# Altium PCB top_1.PcbDoc (part 3 of 5) (continued)
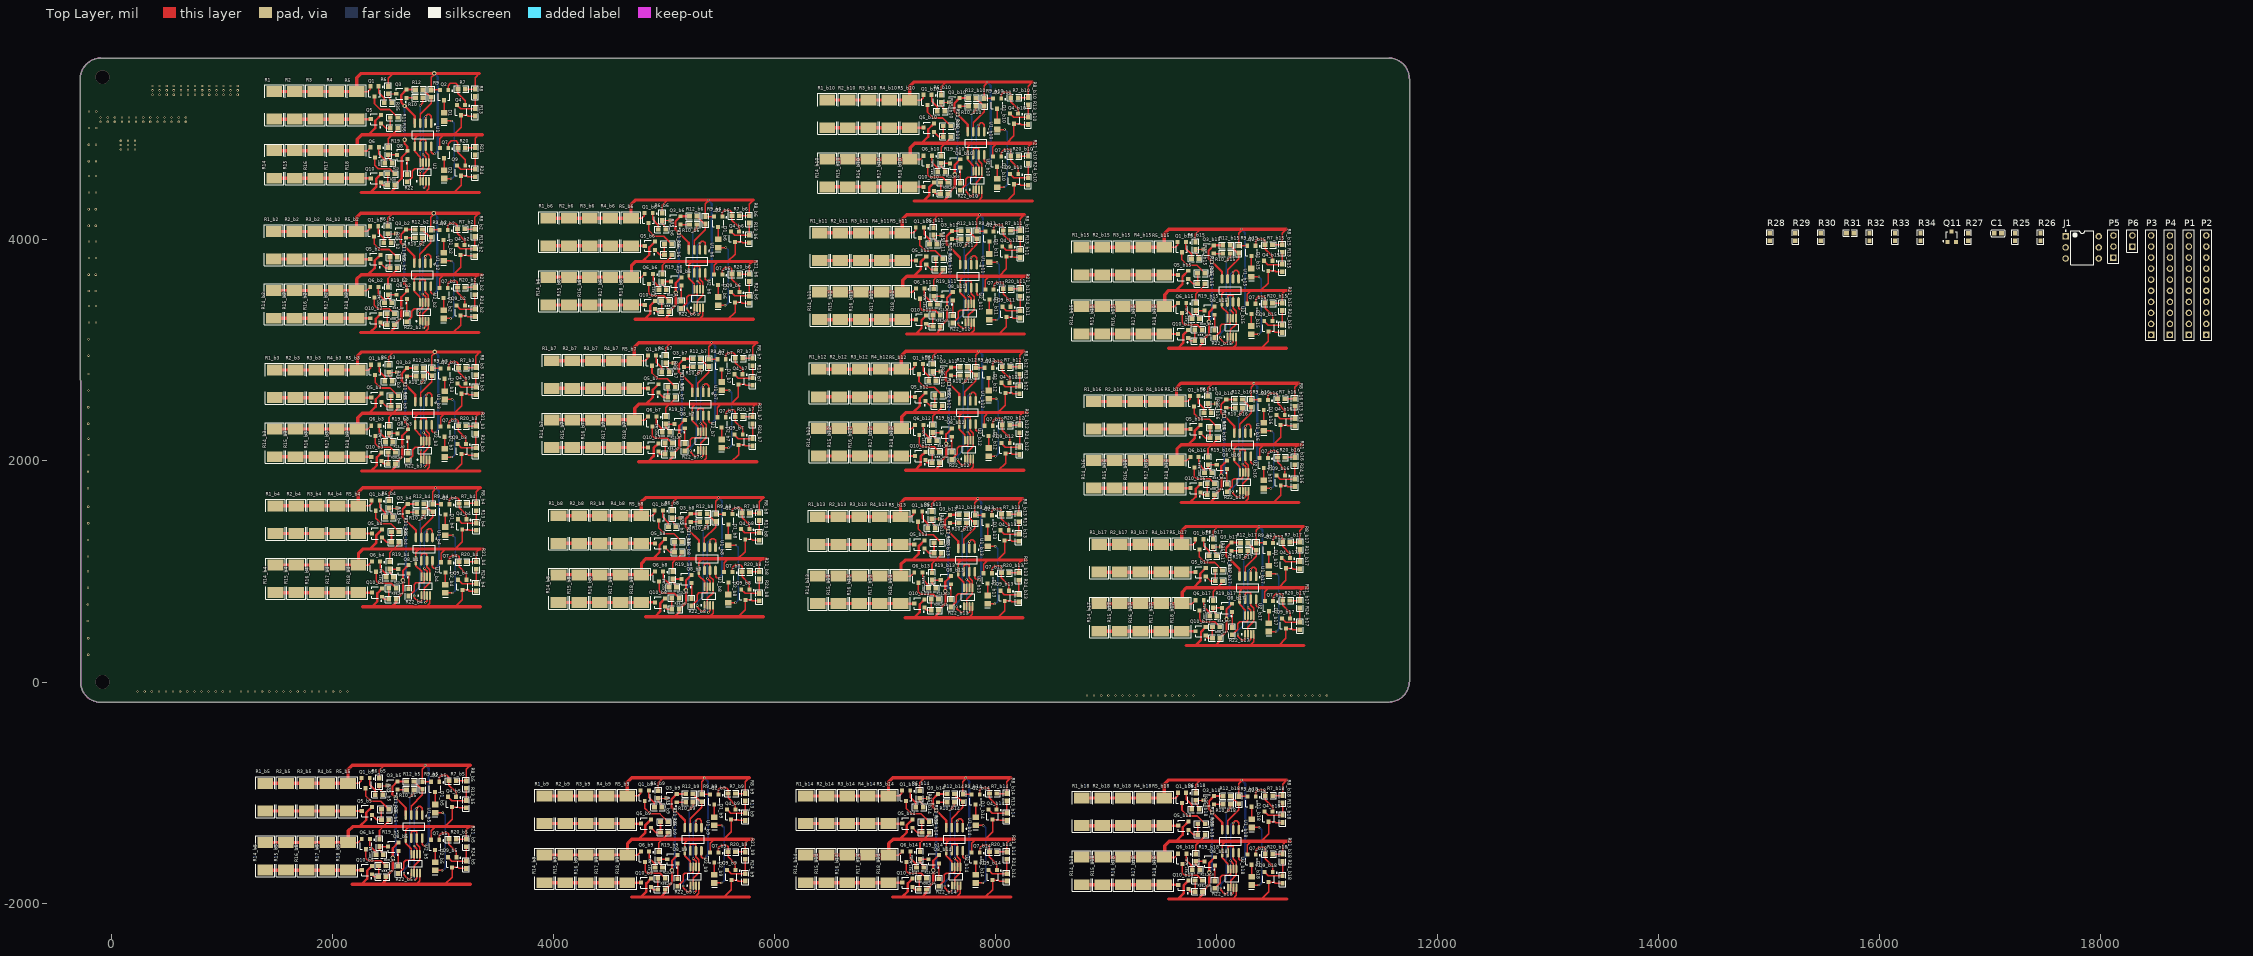
[diagram p0: Top Layer view]
## Nets (pads, with @x,y where several pads share a name; then routed paths per layer and width w, separated by ;. In a path a pad name is that pad's centre, name@x,y a point inside that pad or via, vN(x,y) a via of type N, cw(c..) or ccw(c..) an arc to the next point about the centre after c; other vN are vias at no path point) (continued)
  Top Layer w30: R1_b9.2@3920,-1031 R2_b9.2@4107,-1031 R3_b9.2@4294,-1031 R4_b9.2@4481,-1031 R5_b9.2@4668,-1031 4668,-907 4708,-867 4995.75,-867 v1(5367,-867) 5377,-867 5774,-867 ; 4835,590.93 4917.93,590.93 5122.93,590.93 5411.93,590.93 5672.93,590.93 5901,590.93
  Bottom Layer w20: v2(5200,832.46) 5200,840 5226.87,866.87 v2(5226.87,1374.4) ; v1(5367,-867) 5399,-899 5399,-1566 v1(5371,-1594)
IN_A9: P2.1 Q1_b10.2 Q2_b10.2 R1_b10.2 R2_b10.2 R3_b10.2 R4_b10.2 R5_b10.2 R6_b10.2 R7_b10.2 R8_b10.2 R9_b10.2 U1_b10.8 | length 3617.4
  Top Layer w12: R5_b10.2@7227,5266 7326.46,5266 7349.13,5288.67 Q1_b10.2@7349.13,5313.72 ; R6_b10.2@7510,5312.93 7510,5385.25 7554.75,5430 ; U1_b10.8@7900,4770.51 7900,4715 7912,4703 v1(7930,4703) ; 7936,5430 7901,5395 R9_b10.2@7901,5280.46 7978.39,5280.46 Q2_b10.2@7978.6,5280.26 ; R7_b10.2@8207.46,5288 8295.54,5288 R8_b10.2@8296,5288.46 8296,5393 8333,5430 8334,5430
  Top Layer w30: R1_b10.2@6479,5266 R2_b10.2@6666,5266 R3_b10.2@6853,5266 R4_b10.2@7040,5266 R5_b10.2@7227,5266 7227,5390 7267,5430 7554.75,5430 v1(7926,5430) 7936,5430 8333,5430
  Bottom Layer w20: v1(7926,5430) 7958,5398 7958,4731 v1(7930,4703)
IN_A10: P2.3 Q1_b11.2 Q2_b11.2 Q3_b10.2 Q8_b10.2 Q9_b10.3 Q10_b10.2 R1_b11.2 R2_b11.2 R3_b11.2 R4_b11.2 R5_b11.2 R6_b11.2 R7_b11.2 R8_b11.2 R9_b11.2 R12_b10.1 R24_b10.1 R38_b10.1 U1_b10.4 U1_b11.8 U2_b10.4 | length 6768.4
  Top Layer w12: R5_b11.2@7158,4064 7257.46,4064 7280.13,4086.67 Q1_b11.2@7280.13,4111.72 ; R6_b11.2@7441,4110.93 7441,4183.25 7485.75,4228 ; U1_b11.8@7831,3568.51 7831,3513 7843,3501 v1(7861,3501) ; 7843,4351 7843.93,4351.93 7877.39,4385.39 U2_b10.4@7877.39,4454.35 ; 7867,4228 7832,4193 R9_b11.2@7832,4078.46 7909.39,4078.46 Q2_b11.2@7909.6,4078.26 ; 8104,4351 8104.93,4351.93 8170,4417 Q9_b10.3@8170,4504.74 8222.74,4504.74 8231.94,4495.54 R24_b10.1@8296,4495.54 ; R7_b11.2@8138.46,4086 8226.54,4086 R8_b11.2@8227,4086.46 8227,4191 8264,4228 8265,4228 ; 8333,4351.93 8334,4351.93
  Top Layer w20: 7534,4354.54 7571.46,4392 R38_b10.1@7571.46,4419.46 7633,4481 7633,4566.46 7632,4567.46 v2(7632,4593.46) 7632,4679.14 Q8_b10.2@7683.26,4730.4 ; 7554,4351 7554.93,4351.93 ; U1_b10.4@7750,4979.49 7750,5044.27 v2(7658.87,5135.4) 7627.87,5166.4 7627.87,5235.54 Q3_b10.2@7676.13,5283.8 R12_b10.1@7757,5283.8
  Top Layer w22: 7349,4351 7349.93,4351.93 7401,4403 7401,4475.14 Q10_b10.2@7444.26,4518.4
  Top Layer w30: R1_b11.2@6410,4064 R2_b11.2@6597,4064 R3_b11.2@6784,4064 R4_b11.2@6971,4064 R5_b11.2@7158,4064 7158,4188 7198,4228 7485.75,4228 v1(7857,4228) 7867,4228 8264,4228 ; 7267,4351.93 7349.93,4351.93 7554.93,4351.93 7843.93,4351.93 8104.93,4351.93 8333,4351.93
  Bottom Layer w20: v2(7632,4593.46) 7632,4601 7658.87,4627.87 v2(7658.87,5135.4) ; v1(7857,4228) 7889,4196 7889,3529 v1(7861,3501)
IN_A11: P2.5 Q1_b12.2 Q2_b12.2 Q3_b11.2 Q8_b11.2 Q9_b11.3 Q10_b11.2 R1_b12.2 R2_b12.2 R3_b12.2 R4_b12.2 R5_b12.2 R6_b12.2 R7_b12.2 R8_b12.2 R9_b12.2 R12_b11.1 R24_b11.1 R38_b11.1 U1_b11.4 U1_b12.8 U2_b11.4 | length 6768.4
  Top Layer w12: R5_b12.2@7150,2830 7249.46,2830 7272.13,2852.67 Q1_b12.2@7272.13,2877.72 ; R6_b12.2@7433,2876.93 7433,2949.25 7477.75,2994 ; 7774,3149 7774.93,3149.93 7808.39,3183.39 U2_b11.4@7808.39,3252.35 ; U1_b12.8@7823,2334.51 7823,2279 7835,2267 v1(7853,2267) ; 7859,2994 7824,2959 R9_b12.2@7824,2844.46 7901.39,2844.46 Q2_b12.2@7901.6,2844.26 ; 8035,3149 8035.93,3149.93 8101,3215 Q9_b11.3@8101,3302.74 8153.74,3302.74 8162.94,3293.54 R24_b11.1@8227,3293.54 ; R7_b12.2@8130.46,2852 8218.54,2852 R8_b12.2@8219,2852.46 8219,2957 8256,2994 8257,2994 ; 8264,3149.93 8265,3149.93
  Top Layer w20: 7465,3152.54 7502.46,3190 R38_b11.1@7502.46,3217.46 7564,3279 7564,3364.46 7563,3365.46 v2(7563,3391.46) 7563,3477.14 Q8_b11.2@7614.26,3528.4 ; 7485,3149 7485.93,3149.93 ; U1_b11.4@7681,3777.49 7681,3842.27 v2(7589.87,3933.4) 7558.87,3964.4 7558.87,4033.54 Q3_b11.2@7607.13,4081.8 R12_b11.1@7688,4081.8
  Top Layer w22: 7280,3149 7280.93,3149.93 7332,3201 7332,3273.14 Q10_b11.2@7375.26,3316.4
  Top Layer w30: R1_b12.2@6402,2830 R2_b12.2@6589,2830 R3_b12.2@6776,2830 R4_b12.2@6963,2830 R5_b12.2@7150,2830 7150,2954 7190,2994 7477.75,2994 v1(7849,2994) 7859,2994 8256,2994 ; 7198,3149.93 7280.93,3149.93 7485.93,3149.93 7774.93,3149.93 8035.93,3149.93 8264,3149.93
  Bottom Layer w20: v2(7563,3391.46) 7563,3399 7589.87,3425.87 v2(7589.87,3933.4) ; v1(7849,2994) 7881,2962 7881,2295 v1(7853,2267)
IN_A12: P2.7 Q1_b13.2 Q2_b13.2 Q3_b12.2 Q8_b12.2 Q9_b12.3 Q10_b12.2 R1_b13.2 R2_b13.2 R3_b13.2 R4_b13.2 R5_b13.2 R6_b13.2 R7_b13.2 R8_b13.2 R9_b13.2 R12_b12.1 R24_b12.1 R38_b12.1 U1_b12.4 U1_b13.8 U2_b12.4 | length 6768.4
  Top Layer w12: R5_b13.2@7142,1495 7241.46,1495 7264.13,1517.67 Q1_b13.2@7264.13,1542.72 ; R6_b13.2@7425,1541.93 7425,1614.25 7469.75,1659 ; 7766,1915 7766.93,1915.93 7800.39,1949.39 U2_b12.4@7800.39,2018.35 ; U1_b13.8@7815,999.51 7815,944 7827,932 v1(7845,932) ; 7851,1659 7816,1624 R9_b13.2@7816,1509.46 7893.39,1509.46 Q2_b13.2@7893.6,1509.26 ; 8027,1915 8027.93,1915.93 8093,1981 Q9_b12.3@8093,2068.74 8145.74,2068.74 8154.94,2059.54 R24_b12.1@8219,2059.54 ; R7_b13.2@8122.46,1517 8210.54,1517 R8_b13.2@8211,1517.46 8211,1622 8248,1659 8249,1659 ; 8256,1915.93 8257,1915.93
  Top Layer w20: 7457,1918.54 7494.46,1956 R38_b12.1@7494.46,1983.46 7556,2045 7556,2130.46 7555,2131.46 v2(7555,2157.46) 7555,2243.14 Q8_b12.2@7606.26,2294.4 ; 7477,1915 7477.93,1915.93 ; U1_b12.4@7673,2543.49 7673,2608.27 v2(7581.87,2699.4) 7550.87,2730.4 7550.87,2799.54 Q3_b12.2@7599.13,2847.8 R12_b12.1@7680,2847.8
  Top Layer w22: 7272,1915 7272.93,1915.93 7324,1967 7324,2039.14 Q10_b12.2@7367.26,2082.4
  Top Layer w30: R1_b13.2@6394,1495 R2_b13.2@6581,1495 R3_b13.2@6768,1495 R4_b13.2@6955,1495 R5_b13.2@7142,1495 7142,1619 7182,1659 7469.75,1659 v1(7841,1659) 7851,1659 8248,1659 ; 7190,1915.93 7272.93,1915.93 7477.93,1915.93 7766.93,1915.93 8027.93,1915.93 8256,1915.93
  Bottom Layer w20: v2(7555,2157.46) 7555,2165 7581.87,2191.87 v2(7581.87,2699.4) ; v1(7841,1659) 7873,1627 7873,960 v1(7845,932)
IN_A13: P2.9 Q1_b14.2 Q2_b14.2 Q3_b13.2 Q8_b13.2 Q9_b13.3 Q10_b13.2 R1_b14.2 R2_b14.2 R3_b14.2 R4_b14.2 R5_b14.2 R6_b14.2 R7_b14.2 R8_b14.2 R9_b14.2 R12_b13.1 R24_b13.1 R38_b13.1 U1_b13.4 U1_b14.8 U2_b13.4 | length 6768.4
  Top Layer w12: R5_b14.2@7033,-1031 7132.46,-1031 7155.13,-1008.33 Q1_b14.2@7155.13,-983.28 ; R6_b14.2@7316,-984.07 7316,-911.75 7360.75,-867 ; U1_b14.8@7706,-1526.49 7706,-1582 7718,-1594 v1(7736,-1594) ; 7742,-867 7707,-902 R9_b14.2@7707,-1016.54 7784.39,-1016.54 Q2_b14.2@7784.6,-1016.74 ; 7758,580 7758.93,580.93 7792.39,614.39 U2_b13.4@7792.39,683.35 ; R7_b14.2@8013.46,-1009 8101.54,-1009 R8_b14.2@8102,-1008.54 8102,-904 8139,-867 8140,-867 ; 8019,580 8019.93,580.93 8085,646 Q9_b13.3@8085,733.74 8137.74,733.74 8146.94,724.54 R24_b13.1@8211,724.54 ; 8248,580.93 8249,580.93
  Top Layer w20: 7449,583.54 7486.46,621 R38_b13.1@7486.46,648.46 7548,710 7548,795.46 7547,796.46 v2(7547,822.46) 7547,908.14 Q8_b13.2@7598.26,959.4 ; 7469,580 7469.93,580.93 ; U1_b13.4@7665,1208.49 7665,1273.27 v2(7573.87,1364.4) 7542.87,1395.4 7542.87,1464.54 Q3_b13.2@7591.13,1512.8 R12_b13.1@7672,1512.8
  Top Layer w22: 7264,580 7264.93,580.93 7316,632 7316,704.14 Q10_b13.2@7359.26,747.4
  Top Layer w30: R1_b14.2@6285,-1031 R2_b14.2@6472,-1031 R3_b14.2@6659,-1031 R4_b14.2@6846,-1031 R5_b14.2@7033,-1031 7033,-907 7073,-867 7360.75,-867 v1(7732,-867) 7742,-867 8139,-867 ; 7182,580.93 7264.93,580.93 7469.93,580.93 7758.93,580.93 8019.93,580.93 8248,580.93
  Bottom Layer w20: v2(7547,822.46) 7547,830 7573.87,856.87 v2(7573.87,1364.4) ; v1(7732,-867) 7764,-899 7764,-1566 v1(7736,-1594)
IN_A14: P4.1 Q1_b15.2 Q2_b15.2 Q3_b14.2 Q8_b14.2 Q9_b14.3 Q10_b14.2 R1_b15.2 R2_b15.2 R3_b15.2 R4_b15.2 R5_b15.2 R6_b15.2 R7_b15.2 R8_b15.2 R9_b15.2 R12_b14.1 R24_b14.1 R38_b14.1 U1_b14.4 U1_b15.8 U2_b14.4 | length 6768.4
  Top Layer w12: 7649,-1946 7649.93,-1945.07 7683.39,-1911.61 U2_b14.4@7683.39,-1842.65 ; 7910,-1946 7910.93,-1945.07 7976,-1880 Q9_b14.3@7976,-1792.26 8028.74,-1792.26 8037.94,-1801.46 R24_b14.1@8102,-1801.46 ; 8139,-1945.07 8140,-1945.07 ; R5_b15.2@9528,3934 9627.46,3934 9650.13,3956.67 Q1_b15.2@9650.13,3981.72 ; R6_b15.2@9811,3980.93 9811,4053.25 9855.75,4098 ; U1_b15.8@10201,3438.51 10201,3383 10213,3371 v1(10231,3371) ; 10237,4098 10202,4063 R9_b15.2@10202,3948.46 10279.39,3948.46 Q2_b15.2@10279.6,3948.26 ; R7_b15.2@10508.46,3956 10596.54,3956 R8_b15.2@10597,3956.46 10597,4061 10634,4098 10635,4098
  Top Layer w20: 7340,-1942.46 7377.46,-1905 R38_b14.1@7377.46,-1877.54 7439,-1816 7439,-1730.54 7438,-1729.54 v2(7438,-1703.54) 7438,-1617.86 Q8_b14.2@7489.26,-1566.6 ; 7360,-1946 7360.93,-1945.07 ; U1_b14.4@7556,-1317.51 7556,-1252.73 v2(7464.87,-1161.6) 7433.87,-1130.6 7433.87,-1061.46 Q3_b14.2@7482.13,-1013.2 R12_b14.1@7563,-1013.2
  Top Layer w22: 7155,-1946 7155.93,-1945.07 7207,-1894 7207,-1821.86 Q10_b14.2@7250.26,-1778.6
  Top Layer w30: 7073,-1945.07 7155.93,-1945.07 7360.93,-1945.07 7649.93,-1945.07 7910.93,-1945.07 8139,-1945.07 ; R1_b15.2@8780,3934 R2_b15.2@8967,3934 R3_b15.2@9154,3934 R4_b15.2@9341,3934 R5_b15.2@9528,3934 9528,4058 9568,4098 9855.75,4098 v1(10227,4098) 10237,4098 10634,4098
  Bottom Layer w20: v2(7438,-1703.54) 7438,-1696 7464.87,-1669.13 v2(7464.87,-1161.6) ; v1(10227,4098) 10259,4066 10259,3399 v1(10231,3371)
IN_A15: P4.3 Q1_b16.2 Q2_b16.2 Q3_b15.2 Q8_b15.2 Q9_b15.3 Q10_b15.2 R1_b16.2 R2_b16.2 R3_b16.2 R4_b16.2 R5_b16.2 R6_b16.2 R7_b16.2 R8_b16.2 R9_b16.2 R12_b15.1 R24_b15.1 R38_b15.1 U1_b15.4 U1_b16.8 U2_b15.4 | length 6768.4
  Top Layer w12: R5_b16.2@9640,2539 9739.46,2539 9762.13,2561.67 Q1_b16.2@9762.13,2586.72 ; R6_b16.2@9923,2585.93 9923,2658.25 9967.75,2703 ; 10144,3019 10144.93,3019.93 10178.39,3053.39 U2_b15.4@10178.39,3122.35 ; U1_b16.8@10313,2043.51 10313,1988 10325,1976 v1(10343,1976) ; 10349,2703 10314,2668 R9_b16.2@10314,2553.46 10391.39,2553.46 Q2_b16.2@10391.6,2553.26 ; 10405,3019 10405.93,3019.93 10471,3085 Q9_b15.3@10471,3172.74 10523.74,3172.74 10532.94,3163.54 R24_b15.1@10597,3163.54 ; R7_b16.2@10620.46,2561 10708.54,2561 R8_b16.2@10709,2561.46 10709,2666 10746,2703 10747,2703 ; 10634,3019.93 10635,3019.93
  Top Layer w20: 9835,3022.54 9872.46,3060 R38_b15.1@9872.46,3087.46 9934,3149 9934,3234.46 9933,3235.46 v2(9933,3261.46) 9933,3347.14 Q8_b15.2@9984.26,3398.4 ; 9855,3019 9855.93,3019.93 ; U1_b15.4@10051,3647.49 10051,3712.27 v2(9959.87,3803.4) 9928.87,3834.4 9928.87,3903.54 Q3_b15.2@9977.13,3951.8 R12_b15.1@10058,3951.8
  Top Layer w22: 9650,3019 9650.93,3019.93 9702,3071 9702,3143.14 Q10_b15.2@9745.26,3186.4
  Top Layer w30: R1_b16.2@8892,2539 R2_b16.2@9079,2539 R3_b16.2@9266,2539 R4_b16.2@9453,2539 R5_b16.2@9640,2539 9640,2663 9680,2703 9967.75,2703 v1(10339,2703) 10349,2703 10746,2703 ; 9568,3019.93 9650.93,3019.93 9855.93,3019.93 10144.93,3019.93 10405.93,3019.93 10634,3019.93
  Bottom Layer w20: v2(9933,3261.46) 9933,3269 9959.87,3295.87 v2(9959.87,3803.4) ; v1(10339,2703) 10371,2671 10371,2004 v1(10343,1976)
IN_A16: P4.5 Q1_b17.2 Q2_b17.2 Q3_b16.2 Q8_b16.2 Q9_b16.3 Q10_b16.2 R1_b17.2 R2_b17.2 R3_b17.2 R4_b17.2 R5_b17.2 R6_b17.2 R7_b17.2 R8_b17.2 R9_b17.2 R12_b16.1 R24_b16.1 R38_b16.1 U1_b16.4 U1_b17.8 U2_b16.4 | length 6768.4
  Top Layer w12: R5_b17.2@9687,1244 9786.46,1244 9809.13,1266.67 Q1_b17.2@9809.13,1291.72 ; R6_b17.2@9970,1290.93 9970,1363.25 10014.75,1408 ; 10256,1624 10256.93,1624.93 10290.39,1658.39 U2_b16.4@10290.39,1727.35 ; U1_b17.8@10360,748.51 10360,693 10372,681 v1(10390,681) ; 10396,1408 10361,1373 R9_b17.2@10361,1258.46 10438.39,1258.46 Q2_b17.2@10438.6,1258.26 ; 10517,1624 10517.93,1624.93 10583,1690 Q9_b16.3@10583,1777.74 10635.74,1777.74 10644.94,1768.54 R24_b16.1@10709,1768.54 ; R7_b17.2@10667.46,1266 10755.54,1266 R8_b17.2@10756,1266.46 10756,1371 10793,1408 10794,1408 ; 10746,1624.93 10747,1624.93
  Top Layer w20: 9947,1627.54 9984.46,1665 R38_b16.1@9984.46,1692.46 10046,1754 10046,1839.46 10045,1840.46 v2(10045,1866.46) 10045,1952.14 Q8_b16.2@10096.26,2003.4 ; 9967,1624 9967.93,1624.93 ; U1_b16.4@10163,2252.49 10163,2317.27 v2(10071.87,2408.4) 10040.87,2439.4 10040.87,2508.54 Q3_b16.2@10089.13,2556.8 R12_b16.1@10170,2556.8
  Top Layer w22: 9762,1624 9762.93,1624.93 9814,1676 9814,1748.14 Q10_b16.2@9857.26,1791.4
  Top Layer w30: R1_b17.2@8939,1244 R2_b17.2@9126,1244 R3_b17.2@9313,1244 R4_b17.2@9500,1244 R5_b17.2@9687,1244 9687,1368 9727,1408 10014.75,1408 v1(10386,1408) 10396,1408 10793,1408 ; 9680,1624.93 9762.93,1624.93 9967.93,1624.93 10256.93,1624.93 10517.93,1624.93 10746,1624.93
  Bottom Layer w20: v2(10045,1866.46) 10045,1874 10071.87,1900.87 v2(10071.87,2408.4) ; v1(10386,1408) 10418,1376 10418,709 v1(10390,681)
IN_A17: P4.7 Q1_b18.2 Q2_b18.2 Q3_b17.2 Q8_b17.2 Q9_b17.3 Q10_b17.2 R1_b18.2 R2_b18.2 R3_b18.2 R4_b18.2 R5_b18.2 R6_b18.2 R7_b18.2 R8_b18.2 R9_b18.2 R12_b17.1 R24_b17.1 R25.1 R38_b17.1 U1_b17.4 U1_b18.8 U2_b17.4 | length 6768.4
  Top Layer w12: R5_b18.2@9530,-1050 9629.46,-1050 9652.13,-1027.33 Q1_b18.2@9652.13,-1002.28 ; R6_b18.2@9813,-1003.07 9813,-930.75 9857.75,-886 ; U1_b18.8@10203,-1545.49 10203,-1601 10215,-1613 v1(10233,-1613) ; 10239,-886 10204,-921 R9_b18.2@10204,-1035.54 10281.39,-1035.54 Q2_b18.2@10281.6,-1035.74 ; 10303,329 10303.93,329.93 10337.39,363.39 U2_b17.4@10337.39,432.35 ; R7_b18.2@10510.46,-1028 10598.54,-1028 R8_b18.2@10599,-1027.54 10599,-923 10636,-886 10637,-886 ; 10564,329 10564.93,329.93 10630,395 Q9_b17.3@10630,482.74 10682.74,482.74 10691.94,473.54 R24_b17.1@10756,473.54 ; 10793,329.93 10794,329.93
  Top Layer w20: 9994,332.54 10031.46,370 R38_b17.1@10031.46,397.46 10093,459 10093,544.46 10092,545.46 v2(10092,571.46) 10092,657.14 Q8_b17.2@10143.26,708.4 ; 10014,329 10014.93,329.93 ; U1_b17.4@10210,957.49 10210,1022.27 v2(10118.87,1113.4) 10087.87,1144.4 10087.87,1213.54 Q3_b17.2@10136.13,1261.8 R12_b17.1@10217,1261.8
  Top Layer w22: 9809,329 9809.93,329.93 9861,381 9861,453.14 Q10_b17.2@9904.26,496.4
  Top Layer w30: R1_b18.2@8782,-1050 R2_b18.2@8969,-1050 R3_b18.2@9156,-1050 R4_b18.2@9343,-1050 R5_b18.2@9530,-1050 9530,-926 9570,-886 9857.75,-886 v1(10229,-886) 10239,-886 10636,-886 ; 9727,329.93 9809.93,329.93 10014.93,329.93 10303.93,329.93 10564.93,329.93 10793,329.93
  Bottom Layer w20: v2(10092,571.46) 10092,579 10118.87,605.87 v2(10118.87,1113.4) ; v1(10229,-886) 10261,-918 10261,-1585 v1(10233,-1613)
IN_B0: P1.2 Q4.3 Q5.2 Q6.2 Q7.2 R13.1 R14.2 R15.2 R16.2 R17.2 R18.2 R19.2 R20.2 R21.2 R36.1 U1.5 U2.8 | length 3545.2
  Top Layer w12: 2777,4952 2746,4921 U1.5@2746,4847.51 2746,4801 2796.61,4750.39 U2.8@2796.61,4700.65 ; Q7.2@2974.6,4832.26 2974.6,4915.6 3011,4952 ; 3099,4952 3165,5018 Q4.3@3165,5128.74 3223.26,5128.74 3230.46,5121.54 R13.1@3292,5121.54 ; R20.2@3203.93,4836.46 R21.2@3292,4836.46 3292,4921 3323,4952
  Top Layer w15: R18.2@2223,4808 2225.54,4805.46 2313.8,4805.46 Q6.2@2347.6,4839.26 ; R19.2@2508,4837.46 2508,4917 2543,4952 ; 2547,4952 2543,4952 ; R36.1@2592.46,5012.46 2592.46,5001.46 2543,4952
  Top Layer w22: 2329,4952 2389,5012 2389,5079.14 Q5.2@2440.26,5130.4
  Top Layer w30: R14.2@1475,4808 R15.2@1662,4808 R16.2@1849,4808 R17.2@2036,4808 R18.2@2223,4808 2227,4812 2227,4913.46 2265.54,4952 2329,4952 2543,4952 ; 2547,4952 2777,4952 3011,4952 3099,4952 3323,4952 3356.54,4952
IN_B1: P1.4 Q4_b2.3 Q5_b2.2 Q6_b2.2 Q7_b2.2 R13_b2.1 R14_b2.2 R15_b2.2 R16_b2.2 R17_b2.2 R18_b2.2 R19_b2.2 R20_b2.2 R21_b2.2 R36_b2.1 U1_b2.5 U2_b2.8 | length 3545.2
  Top Layer w12: 2773,3686 2742,3655 U1_b2.5@2742,3581.51 2742,3535 2792.61,3484.39 U2_b2.8@2792.61,3434.65 ; Q7_b2.2@2970.6,3566.26 2970.6,3649.6 3007,3686 ; 3095,3686 3161,3752 Q4_b2.3@3161,3862.74 3219.26,3862.74 3226.46,3855.54 R13_b2.1@3288,3855.54 ; R20_b2.2@3199.93,3570.46 R21_b2.2@3288,3570.46 3288,3655 3319,3686
  Top Layer w15: R18_b2.2@2219,3542 2221.54,3539.46 2309.8,3539.46 Q6_b2.2@2343.6,3573.26 ; R19_b2.2@2504,3571.46 2504,3651 2539,3686 ; 2543,3686 2539,3686 ; R36_b2.1@2588.46,3746.46 2588.46,3735.46 2539,3686
  Top Layer w22: 2325,3686 2385,3746 2385,3813.14 Q5_b2.2@2436.26,3864.4
  Top Layer w30: R14_b2.2@1471,3542 R15_b2.2@1658,3542 R16_b2.2@1845,3542 R17_b2.2@2032,3542 R18_b2.2@2219,3542 2223,3546 2223,3647.46 2261.54,3686 2325,3686 2539,3686 ; 2543,3686 2773,3686 3007,3686 3095,3686 3319,3686 3352.54,3686
IN_B2: P1.6 Q4_b3.3 Q5_b3.2 Q6_b3.2 Q7_b3.2 R13_b3.1 R14_b3.2 R15_b3.2 R16_b3.2 R17_b3.2 R18_b3.2 R19_b3.2 R20_b3.2 R21_b3.2 R36_b3.1 U1_b3.5 U2_b3.8 | length 3545.2
  Top Layer w12: 2782,2432 2751,2401 U1_b3.5@2751,2327.51 2751,2281 2801.61,2230.39 U2_b3.8@2801.61,2180.65 ; Q7_b3.2@2979.6,2312.26 2979.6,2395.6 3016,2432 ; 3104,2432 3170,2498 Q4_b3.3@3170,2608.74 3228.26,2608.74 3235.46,2601.54 R13_b3.1@3297,2601.54 ; R20_b3.2@3208.93,2316.46 R21_b3.2@3297,2316.46 3297,2401 3328,2432
  Top Layer w15: R18_b3.2@2228,2288 2230.54,2285.46 2318.8,2285.46 Q6_b3.2@2352.6,2319.26 ; R19_b3.2@2513,2317.46 2513,2397 2548,2432 ; 2552,2432 2548,2432 ; R36_b3.1@2597.46,2492.46 2597.46,2481.46 2548,2432
  Top Layer w22: 2334,2432 2394,2492 2394,2559.14 Q5_b3.2@2445.26,2610.4
  Top Layer w30: R14_b3.2@1480,2288 R15_b3.2@1667,2288 R16_b3.2@1854,2288 R17_b3.2@2041,2288 R18_b3.2@2228,2288 2232,2292 2232,2393.46 2270.54,2432 2334,2432 2548,2432 ; 2552,2432 2782,2432 3016,2432 3104,2432 3328,2432 3361.54,2432
IN_B3: P1.8 Q4_b4.3 Q5_b4.2 Q6_b4.2 Q7_b4.2 R13_b4.1 R14_b4.2 R15_b4.2 R16_b4.2 R17_b4.2 R18_b4.2 R19_b4.2 R20_b4.2 R21_b4.2 R36_b4.1 U1_b4.5 U2_b4.8 | length 3545.2
  Top Layer w12: 2788,1203 2757,1172 U1_b4.5@2757,1098.51 2757,1052 2807.61,1001.39 U2_b4.8@2807.61,951.65 ; Q7_b4.2@2985.6,1083.26 2985.6,1166.6 3022,1203 ; 3110,1203 3176,1269 Q4_b4.3@3176,1379.74 3234.26,1379.74 3241.46,1372.54 R13_b4.1@3303,1372.54 ; R20_b4.2@3214.93,1087.46 R21_b4.2@3303,1087.46 3303,1172 3334,1203
  Top Layer w15: R18_b4.2@2234,1059 2236.54,1056.46 2324.8,1056.46 Q6_b4.2@2358.6,1090.26 ; R19_b4.2@2519,1088.46 2519,1168 2554,1203 ; 2558,1203 2554,1203 ; R36_b4.1@2603.46,1263.46 2603.46,1252.46 2554,1203
  Top Layer w22: 2340,1203 2400,1263 2400,1330.14 Q5_b4.2@2451.26,1381.4
  Top Layer w30: R14_b4.2@1486,1059 R15_b4.2@1673,1059 R16_b4.2@1860,1059 R17_b4.2@2047,1059 R18_b4.2@2234,1059 2238,1063 2238,1164.46 2276.54,1203 2340,1203 2554,1203 ; 2558,1203 2788,1203 3022,1203 3110,1203 3334,1203 3367.54,1203
IN_B4: P1.10 Q4_b5.3 Q5_b5.2 Q6_b5.2 Q7_b5.2 R13_b5.1 R14_b5.2 R15_b5.2 R16_b5.2 R17_b5.2 R18_b5.2 R19_b5.2 R20_b5.2 R21_b5.2 R36_b5.1 U1_b5.5 U2_b5.8 | length 3545.2
  Top Layer w12: 2696,-1308 2665,-1339 U1_b5.5@2665,-1412.49 2665,-1459 2715.61,-1509.61 U2_b5.8@2715.61,-1559.35 ; Q7_b5.2@2893.6,-1427.74 2893.6,-1344.4 2930,-1308 ; 3018,-1308 3084,-1242 Q4_b5.3@3084,-1131.26 3142.26,-1131.26 3149.46,-1138.46 R13_b5.1@3211,-1138.46 ; R20_b5.2@3122.93,-1423.54 R21_b5.2@3211,-1423.54 3211,-1339 3242,-1308
  Top Layer w15: R18_b5.2@2142,-1452 2144.54,-1454.54 2232.8,-1454.54 Q6_b5.2@2266.6,-1420.74 ; R19_b5.2@2427,-1422.54 2427,-1343 2462,-1308 ; 2466,-1308 2462,-1308 ; R36_b5.1@2511.46,-1247.54 2511.46,-1258.54 2462,-1308
  Top Layer w22: 2248,-1308 2308,-1248 2308,-1180.86 Q5_b5.2@2359.26,-1129.6
  Top Layer w30: R14_b5.2@1394,-1452 R15_b5.2@1581,-1452 R16_b5.2@1768,-1452 R17_b5.2@1955,-1452 R18_b5.2@2142,-1452 2146,-1448 2146,-1346.54 2184.54,-1308 2248,-1308 2462,-1308 ; 2466,-1308 2696,-1308 2930,-1308 3018,-1308 3242,-1308 3275.54,-1308
IN_B5: P3.2 Q4_b6.3 Q5_b6.2 Q6_b6.2 Q7_b6.2 R13_b6.1 R14_b6.2 R15_b6.2 R16_b6.2 R17_b6.2 R18_b6.2 R19_b6.2 R20_b6.2 R21_b6.2 R36_b6.1 U1_b6.5 U2_b6.8 | length 3545.2
  Top Layer w12: 5257,3806 5226,3775 U1_b6.5@5226,3701.51 5226,3655 5276.61,3604.39 U2_b6.8@5276.61,3554.65 ; Q7_b6.2@5454.6,3686.26 5454.6,3769.6 5491,3806 ; 5579,3806 5645,3872 Q4_b6.3@5645,3982.74 5703.26,3982.74 5710.46,3975.54 R13_b6.1@5772,3975.54 ; R20_b6.2@5683.93,3690.46 R21_b6.2@5772,3690.46 5772,3775 5803,3806
  Top Layer w15: R18_b6.2@4703,3662 4705.54,3659.46 4793.8,3659.46 Q6_b6.2@4827.6,3693.26 ; R19_b6.2@4988,3691.46 4988,3771 5023,3806 ; 5027,3806 5023,3806 ; R36_b6.1@5072.46,3866.46 5072.46,3855.46 5023,3806
  Top Layer w22: 4809,3806 4869,3866 4869,3933.14 Q5_b6.2@4920.26,3984.4
  Top Layer w30: R14_b6.2@3955,3662 R15_b6.2@4142,3662 R16_b6.2@4329,3662 R17_b6.2@4516,3662 R18_b6.2@4703,3662 4707,3666 4707,3767.46 4745.54,3806 4809,3806 5023,3806 ; 5027,3806 5257,3806 5491,3806 5579,3806 5803,3806 5836.54,3806
IN_B6: P3.4 Q4_b7.3 Q5_b7.2 Q6_b7.2 Q7_b7.2 R13_b7.1 R14_b7.2 R15_b7.2 R16_b7.2 R17_b7.2 R18_b7.2 R19_b7.2 R20_b7.2 R21_b7.2 R36_b7.1 U1_b7.5 U2_b7.8 | length 3545.2
  Top Layer w12: 5288,2516 5257,2485 U1_b7.5@5257,2411.51 5257,2365 5307.61,2314.39 U2_b7.8@5307.61,2264.65 ; Q7_b7.2@5485.6,2396.26 5485.6,2479.6 5522,2516 ; 5610,2516 5676,2582 Q4_b7.3@5676,2692.74 5734.26,2692.74 5741.46,2685.54 R13_b7.1@5803,2685.54 ; R20_b7.2@5714.93,2400.46 R21_b7.2@5803,2400.46 5803,2485 5834,2516
  Top Layer w15: R18_b7.2@4734,2372 4736.54,2369.46 4824.8,2369.46 Q6_b7.2@4858.6,2403.26 ; R19_b7.2@5019,2401.46 5019,2481 5054,2516 ; 5058,2516 5054,2516 ; R36_b7.1@5103.46,2576.46 5103.46,2565.46 5054,2516
  Top Layer w22: 4840,2516 4900,2576 4900,2643.14 Q5_b7.2@4951.26,2694.4
  Top Layer w30: R14_b7.2@3986,2372 R15_b7.2@4173,2372 R16_b7.2@4360,2372 R17_b7.2@4547,2372 R18_b7.2@4734,2372 4738,2376 4738,2477.46 4776.54,2516 4840,2516 5054,2516 ; 5058,2516 5288,2516 5522,2516 5610,2516 5834,2516 5867.54,2516
IN_B7: P3.6 Q4_b8.3 Q5_b8.2 Q6_b8.2 Q7_b8.2 R13_b8.1 R14_b8.2 R15_b8.2 R16_b8.2 R17_b8.2 R18_b8.2 R19_b8.2 R20_b8.2 R21_b8.2 R36_b8.1 U1_b8.5 U2_b8.8 | length 3545.2
  Top Layer w12: 5349,1114 5318,1083 U1_b8.5@5318,1009.51 5318,963 5368.61,912.39 U2_b8.8@5368.61,862.65 ; Q7_b8.2@5546.6,994.26 5546.6,1077.6 5583,1114 ; 5671,1114 5737,1180 Q4_b8.3@5737,1290.74 5795.26,1290.74 5802.46,1283.54 R13_b8.1@5864,1283.54 ; R20_b8.2@5775.93,998.46 R21_b8.2@5864,998.46 5864,1083 5895,1114
  Top Layer w15: R18_b8.2@4795,970 4797.54,967.46 4885.8,967.46 Q6_b8.2@4919.6,1001.26 ; R19_b8.2@5080,999.46 5080,1079 5115,1114 ; 5119,1114 5115,1114 ; R36_b8.1@5164.46,1174.46 5164.46,1163.46 5115,1114
  Top Layer w22: 4901,1114 4961,1174 4961,1241.14 Q5_b8.2@5012.26,1292.4
  Top Layer w30: R14_b8.2@4047,970 R15_b8.2@4234,970 R16_b8.2@4421,970 R17_b8.2@4608,970 R18_b8.2@4795,970 4799,974 4799,1075.46 4837.54,1114 4901,1114 5115,1114 ; 5119,1114 5349,1114 5583,1114 5671,1114 5895,1114 5928.54,1114
IN_B8: P3.8 Q4_b9.3 Q5_b9.2 Q6_b9.2 Q7_b9.2 R13_b9.1 R14_b9.2 R15_b9.2 R16_b9.2 R17_b9.2 R18_b9.2 R19_b9.2 R20_b9.2 R21_b9.2 R36_b9.1 U1_b9.5 U2_b9.8 | length 3545.2
  Top Layer w12: 5222,-1422 5191,-1453 U1_b9.5@5191,-1526.49 5191,-1573 5241.61,-1623.61 U2_b9.8@5241.61,-1673.35 ; Q7_b9.2@5419.6,-1541.74 5419.6,-1458.4 5456,-1422 ; 5544,-1422 5610,-1356 Q4_b9.3@5610,-1245.26 5668.26,-1245.26 5675.46,-1252.46 R13_b9.1@5737,-1252.46 ; R20_b9.2@5648.93,-1537.54 R21_b9.2@5737,-1537.54 5737,-1453 5768,-1422
  Top Layer w15: R18_b9.2@4668,-1566 4670.54,-1568.54 4758.8,-1568.54 Q6_b9.2@4792.6,-1534.74 ; R19_b9.2@4953,-1536.54 4953,-1457 4988,-1422 ; 4992,-1422 4988,-1422 ; R36_b9.1@5037.46,-1361.54 5037.46,-1372.54 4988,-1422
  Top Layer w22: 4774,-1422 4834,-1362 4834,-1294.86 Q5_b9.2@4885.26,-1243.6
  Top Layer w30: R14_b9.2@3920,-1566 R15_b9.2@4107,-1566 R16_b9.2@4294,-1566 R17_b9.2@4481,-1566 R18_b9.2@4668,-1566 4672,-1562 4672,-1460.54 4710.54,-1422 4774,-1422 4988,-1422 ; 4992,-1422 5222,-1422 5456,-1422 5544,-1422 5768,-1422 5801.54,-1422